# Altium PCB top_INA_v2.PcbDoc (part 3 of 4) (continued)
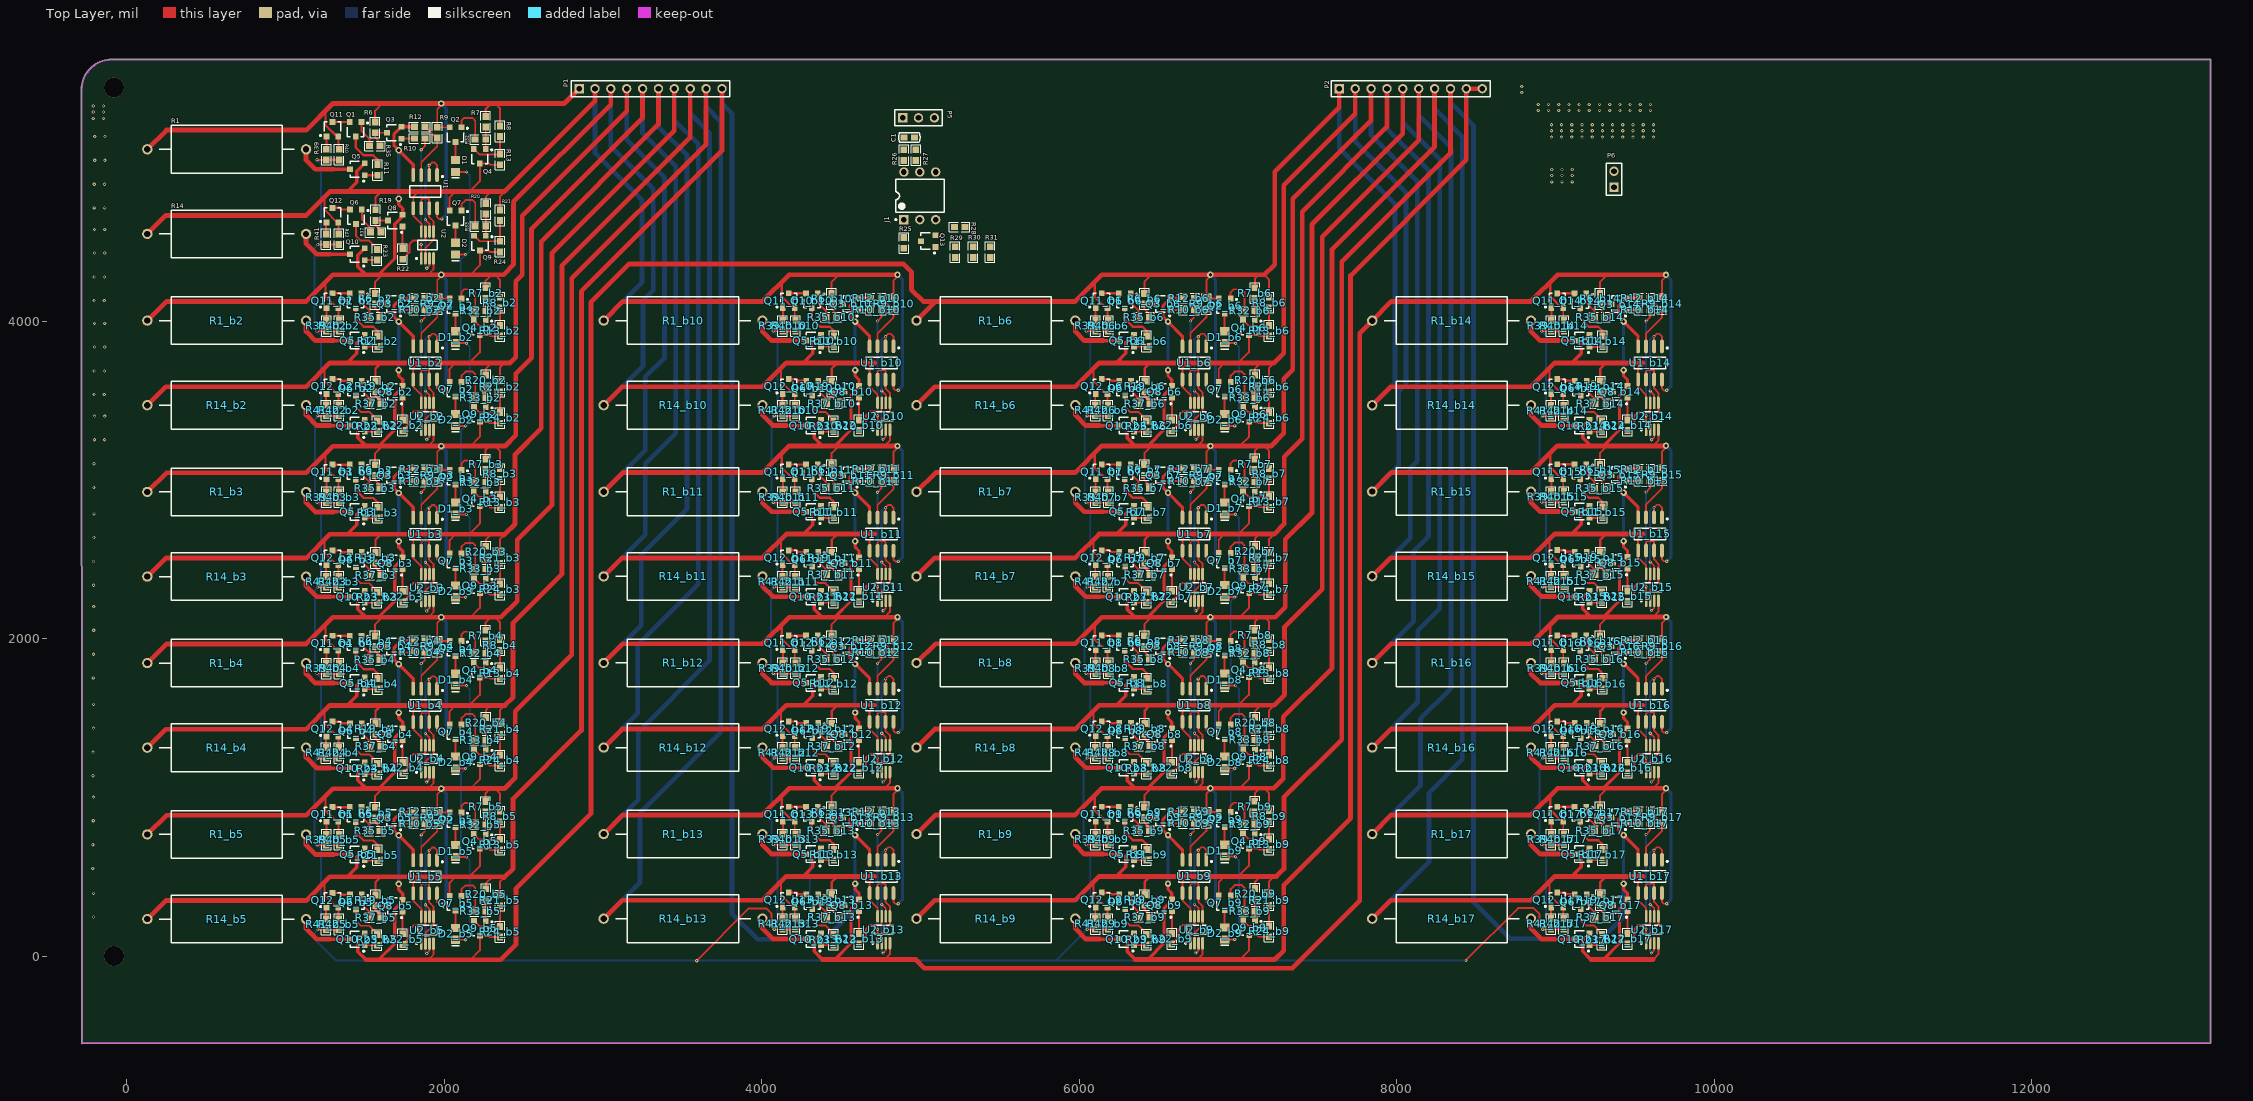
[diagram p0: Top Layer view]
## Nets (pads, with @x,y where several pads share a name; then routed paths per layer and width w, separated by ;. In a path a pad name is that pad's centre, name@x,y a point inside that pad or via, vN(x,y) a via of type N, cw(c..) or ccw(c..) an arc to the next point about the centre after c; other vN are vias at no path point) (continued)
  Top Layer w15: R19_b6.2@6411.87,3622 6411.87,3701.54 6446.87,3736.54 6450.87,3736.54 ; 8967,3163.79 8967,3077.82 Q11_b15.2@9038.82,3006
  Top Layer w20: Q11_b15.2@9038.82,3006 Q11_b15.2@9048.4,3006 ; 9303.87,3215.81 9402.87,3314.81 9402.87,3531.83 9453.13,3582.09 Q8_b14.2@9453.13,3591.68 9453.13,3630.02 9428.73,3654.41 v2(9428.73,3691.28) ; 9367.87,3213.28 9368.8,3214.2 ; U1_b14.4@9519.87,3840.76 9519.87,3905.54 v2(9428.73,3996.68) 9397.73,4027.68 9397.73,4096.82 Q3_b14.2@9445.99,4145.08 R12_b14.1@9526.87,4145.08
  Top Layer w22: 6232.87,3736.54 6292.87,3796.54 6292.87,3863.68 Q5_b6.2@6344.13,3914.94 ; Q10_b14.2@9214.13,3379.68 9170.87,3336.42 9170.87,3264.28 9220.87,3214.28 9221.87,3213.28 ; 9265.87,3214.28 9265.94,3214.2
  Top Layer w30: R14_b6.2@4975,3470.26 5091.28,3586.54 5975,3586.54 6125,3736.54 6232.87,3736.54 6446.87,3736.54 ; 6450.87,3736.54 6680.87,3736.54 6914.87,3736.54 7002.87,3736.54 7226.87,3736.54 7288,3797.67 7288,4855.58 7738,5305.58 P2.2@7738,5464 ; R1_b15.2@7845,2926.26 7966.02,3047.28 8845,3047.28 9011.36,3213.64 ; 9011.99,3214.28 9220.87,3214.28 9265.87,3214.28 9324.35,3214.28 9368.61,3214.28 9614.87,3214.28 9657.87,3214.28 ; 9265.94,3214.2 9324.28,3214.2 9368.54,3214.2 9368.8,3214.2 9614.8,3214.2 9657.8,3214.2 v2@9695.54,3214.2
  Bottom Layer w20: v2(9428.73,3691.28) v2(9428.73,3996.68) ; v2(9695.87,3214.54) 9727.87,3182.54 9727.87,2515.54 v1(9699.87,2487.54)
  Bottom Layer w30: P2.2@7738,5464 7738,5129.47 8058.74,4808.74 8058.74,3603.74 8012,3557 8012,3093.26 R1_b15.2@7845,2926.26
IN_A15: P2.4 Q3_b15.2 Q4_b7.3 Q5_b7.2 Q7_b7.2 Q8_b15.2 Q10_b15.2 Q11_b16.2 Q12_b7.2 R1_b16.2 R6_b16.2 R9_b16.2 R12_b15.1 R13_b7.1 R14_b7.2 R19_b7.2 R20_b7.2 R21_b7.2 R40_b16.1 R42_b7.1 U1_b7.5 U1_b15.4 U1_b16.8 U2_b7.8 U2_b15.4 | length 16330
  Top Layer w12: 6091,2623.04 6091,2543.26 6170.26,2464 Q12_b7.2@6178.4,2464 6178.4,2395.32 R42_b7.1@6181,2392.72 ; 6680.87,2658.54 6649.87,2627.54 U1_b7.5@6649.87,2554.05 6649.87,2507.54 6700.48,2456.92 U2_b7.8@6700.48,2407.18 ; Q7_b7.2@6878.46,2538.8 6878.46,2622.13 6914.87,2658.54 ; 7002.87,2658.54 7068.87,2724.54 Q4_b7.3@7068.87,2835.28 7127.13,2835.28 7134.33,2828.07 R13_b7.1@7195.87,2828.07 ; R20_b7.2@7107,2583.46 7107,2631.54 7134,2658.54 ; R21_b7.2@7195.87,2543 7195.87,2627.54 7226.87,2658.54 ; Q11_b16.2@9048.4,1927 9048.4,1852.32 R40_b16.1@9053,1847.72 ; R6_b16.2@9279.87,2018.46 9279.87,2090.79 9324.54,2135.46 ; 9368.54,2136.46 9368.61,2136.54 ; 9613.87,2136.54 9647.25,2169.92 U2_b15.4@9647.25,2238.89 ; 9656.87,2135.54 9657.8,2136.46 9657.87,2136.54 ; U1_b16.8@9669.87,1476.05 9669.87,1420.54 9681.87,1408.54 v1(9699.87,1408.54) ; R9_b16.2@9670.87,1986 9670.87,2100.54 v2@9695.87,2125.54
  Top Layer w15: R19_b7.2@6411.87,2544 6411.87,2623.54 6446.87,2658.54 6450.87,2658.54 ; 8967,2084.79 8967,1998.82 Q11_b16.2@9038.82,1927
  Top Layer w20: Q11_b16.2@9038.82,1927 Q11_b16.2@9048.4,1927 ; 9303.87,2139.07 9402.87,2238.07 9402.87,2455.09 9453.13,2505.35 Q8_b15.2@9453.13,2514.94 9453.13,2553.28 9428.73,2577.67 v2(9428.73,2614.54) ; 9367.87,2135.54 9368.8,2136.46 ; U1_b15.4@9519.87,2764.02 9519.87,2828.8 v2(9428.73,2919.94) 9397.73,2950.94 9397.73,3020.08 Q3_b15.2@9445.99,3068.34 R12_b15.1@9526.87,3068.34
  Top Layer w22: 6232.87,2658.54 6292.87,2718.54 6292.87,2785.68 Q5_b7.2@6344.13,2836.94 ; Q10_b15.2@9214.13,2302.94 9170.87,2259.68 9170.87,2187.54 9221.87,2136.54 ; 9265.87,2136.54 9265.94,2136.46
  Top Layer w30: R14_b7.2@4975,2392.26 5091.28,2508.54 5975,2508.54 6125,2658.54 6232.87,2658.54 6446.87,2658.54 ; 6450.87,2658.54 6680.87,2658.54 6914.87,2658.54 7002.87,2658.54 7134,2658.54 7226.87,2658.54 7291,2722.67 7291,3145 7404,3258 7404,4688.74 7938,5222.74 P2.4@7938,5464 ; R1_b16.2@7845,1847.26 7966.02,1968.28 8845,1968.28 9013.25,2136.54 9221.87,2136.54 9265.87,2136.54 9368.61,2136.54 9613.87,2136.54 9657.87,2136.54 v2(9696,2136.54) ; 9265.94,2136.46 9368.54,2136.46 9368.8,2136.46 9657.8,2136.46
  Bottom Layer w20: v2(9428.73,2614.54) v2(9428.73,2919.94) ; v2@9695.87,2135.54 9727.87,2103.54 9727.87,1436.54 v1(9699.87,1408.54)
  Bottom Layer w30: R1_b16.2@7845,1847.26 8106,2108.26 ; P2.4@7938,5464 7938,5212.31 8200.16,4950.16 8200.16,2645 8106,2550.84 8106,2109.26
IN_A16: P2.6 Q3_b16.2 Q4_b8.3 Q5_b8.2 Q7_b8.2 Q8_b16.2 Q10_b16.2 Q11_b17.2 Q12_b8.2 R1_b17.2 R6_b17.2 R9_b17.2 R12_b16.1 R13_b8.1 R14_b8.2 R19_b8.2 R20_b8.2 R21_b8.2 R40_b17.1 R42_b8.1 U1_b8.5 U1_b16.4 U1_b17.8 U2_b8.8 U2_b16.4 | length 18606.9
  Top Layer w12: 6091,1545.04 6091,1465.26 6170.26,1386 Q12_b8.2@6178.4,1386 6178.4,1317.32 R42_b8.1@6181,1314.72 ; 6680.87,1580.54 6649.87,1549.54 U1_b8.5@6649.87,1476.05 6649.87,1429.54 6700.48,1378.92 U2_b8.8@6700.48,1329.18 ; Q7_b8.2@6878.46,1460.8 6878.46,1544.13 6914.87,1580.54 ; 7002.87,1580.54 7068.87,1646.54 Q4_b8.3@7068.87,1757.28 7127.13,1757.28 7134.33,1750.07 R13_b8.1@7195.87,1750.07 ; R20_b8.2@7107,1505.46 7107,1545.54 7142,1580.54 ; R21_b8.2@7195.87,1465 7195.87,1549.54 7226.87,1580.54 ; Q11_b17.2@9048.4,849 9048.4,774.32 R40_b17.1@9053,769.72 ; R6_b17.2@9279.87,940.46 9279.87,1012.79 9324.28,1057.2 ; 9360.28,1057.46 9360.35,1057.54 9360.54,1057.72 ; 9368.54,1057.46 9368.61,1057.54 ; 9613.87,1057.54 9647.25,1090.92 U2_b16.4@9647.25,1159.89 ; 9656.87,1056.54 9657.8,1057.46 9657.87,1057.54 ; U1_b17.8@9669.87,398.05 9669.87,342.54 9681.87,330.54 v1(9699.87,330.54) ; R9_b17.2@9670.87,908 9670.87,1022.54 v2@9695.87,1047.54
  Top Layer w15: R19_b8.2@6411.87,1466 6411.87,1545.54 6446.87,1580.54 6450.87,1580.54 ; 8967,1006.79 8967,920.82 Q11_b17.2@9038.82,849
  Top Layer w20: Q11_b17.2@9038.82,849 Q11_b17.2@9048.4,849 ; 9303.87,1060.07 9402.87,1159.07 9402.87,1376.09 9453.13,1426.35 Q8_b16.2@9453.13,1435.94 9453.13,1474.28 9428.73,1498.67 v2(9428.73,1535.54) ; 9367.87,1056.54 9368.8,1057.46 ; U1_b16.4@9519.87,1685.02 9519.87,1749.8 v2(9428.73,1840.94) 9397.73,1871.94 9397.73,1941.08 Q3_b16.2@9445.99,1989.34 R12_b16.1@9526.87,1989.34
  Top Layer w22: 6232.87,1580.54 6292.87,1640.54 6292.87,1707.68 Q5_b8.2@6344.13,1758.94 ; Q10_b16.2@9214.13,1223.94 9170.87,1180.68 9170.87,1108.54 9221.87,1057.54 ; 9265.87,1057.54 9265.94,1057.46
  Top Layer w30: R14_b8.2@4975,1314.26 5091.28,1430.54 5975,1430.54 6125,1580.54 6232.87,1580.54 6446.87,1580.54 ; 6450.87,1580.54 6680.87,1580.54 6914.87,1580.54 7002.87,1580.54 7142,1580.54 7226.87,1580.54 7293,1646.67 7293,2074 7530,2311 7530,4531.89 8138,5139.89 P2.6@8138,5464 ; R1_b17.2@7845,769.26 7966.02,890.28 8845,890.28 9012.25,1057.54 9221.87,1057.54 9265.87,1057.54 9360.35,1057.54 9368.61,1057.54 9613.87,1057.54 9657.87,1057.54 v2(9695.87,1057.54) ; 9265.94,1057.46 9360.28,1057.46 9368.54,1057.46 9368.8,1057.46 9657.8,1057.46
  Bottom Layer w20: v2(9428.73,1535.54) v2(9428.73,1840.94) ; v2(9695.87,1057.54) 9727.87,1025.54 9727.87,358.54 v1(9699.87,330.54)
  Bottom Layer w30: R1_b17.2@7845,769.26 8149,1073.26 8149,1495 8341.58,1687.58 8341.58,5091.58 8138,5295.16 P2.6@8138,5464
IN_B8: P2.8 Q3_b17.2 Q4_b9.3 Q5_b9.2 Q7_b9.2 Q8_b17.2 Q10_b17.2 Q12_b9.2 R12_b17.1 R13_b9.1 R14_b9.2 R19_b9.2 R20_b9.2 R21_b9.2 R42_b9.1 U1_b9.5 U1_b17.4 U2_b9.8 U2_b17.4 | length 17905.4
  Top Layer w12: 6091,467.04 6091,387.26 6170.26,308 Q12_b9.2@6178.4,308 6178.4,239.32 R42_b9.1@6181,236.72 ; 6680.87,502.54 6649.87,471.54 U1_b9.5@6649.87,398.05 6649.87,351.54 6700.48,300.92 U2_b9.8@6700.48,251.18 ; Q7_b9.2@6878.46,382.8 6878.46,466.13 6914.87,502.54 ; 7002.87,502.54 7068.87,568.54 Q4_b9.3@7068.87,679.28 7127.13,679.28 7134.33,672.07 R13_b9.1@7195.87,672.07 ; R20_b9.2@7107,427.46 7107,469.54 7140,502.54 ; R21_b9.2@7195.87,387 7195.87,471.54 7226.87,502.54 ; 9612.87,-21.46 9613.8,-20.54 9647.25,12.92 U2_b17.4@9647.25,81.89
  Top Layer w15: R19_b9.2@6411.87,388 6411.87,467.54 6446.87,502.54 6450.87,502.54
  Top Layer w20: 9303.87,-17.93 9402.87,81.07 9402.87,298.09 9453.13,348.35 Q8_b17.2@9453.13,357.94 9453.13,396.28 9428.73,420.67 v2(9428.73,457.54) ; 9323.87,-21.46 9324.8,-20.54 ; U1_b17.4@9519.87,607.02 9519.87,671.8 v2(9428.73,762.94) 9397.73,793.94 9397.73,863.08 Q3_b17.2@9445.99,911.34 R12_b17.1@9526.87,911.34
  Top Layer w22: 6232.87,502.54 6292.87,562.54 6292.87,629.68 Q5_b9.2@6344.13,680.94 ; Q10_b17.2@9214.13,145.94 9170.87,102.68 9170.87,30.54 9221.94,-20.54
  Top Layer w30: R14_b9.2@4975,236.26 5091.28,352.54 5975,352.54 6125,502.54 6232.87,502.54 6446.87,502.54 ; 6450.87,502.54 6680.87,502.54 6914.87,502.54 7002.87,502.54 7140,502.54 7226.87,502.54 7242,502.54 7289,549.54 7289,1000 7654,1365 7654,4373.05 8338,5057.05 P2.8@8338,5464 ; 9221.94,-20.54 9324.8,-20.54 9613.8,-20.54
  Bottom Layer w20: v2(9428.73,457.54) v2(9428.73,762.94)
  Bottom Layer w30: P2.8@8338,5464 8338,5378 8483,5233 8483,342 8715,110 9291,110 9428.73,247.73 v2(9428.73,457.54)
IN_C8: P2.9 P2.10 Q3_b9.2 Q8_b9.2 Q9_b9.3 Q10_b9.2 Q13.2 R12_b9.1 R24_b9.1 R28.1 U1_b9.4 U2_b9.4 | length 8904.5
  Top Layer w12: 6742.87,-21.46 6743.8,-20.54 6777.25,12.92 U2_b9.4@6777.25,81.89 ; 7010.25,-20.54 7069.87,39.08 Q9_b9.3@7069.87,132.28 7122.61,132.28 7131.81,123.07 R24_b9.1@7195.87,123.07
  Top Layer w20: 6433.87,-17.93 6532.87,81.07 6532.87,298.09 6583.13,348.35 Q8_b9.2@6583.13,357.94 6583.13,396.28 6558.73,420.67 v2(6558.73,457.54) ; 6453.87,-21.46 6454.8,-20.54 ; U1_b9.4@6649.87,607.02 6649.87,671.8 v2(6558.73,762.94) 6527.73,793.94 6527.73,863.08 Q3_b9.2@6575.99,911.34 R12_b9.1@6656.87,911.34
  Top Layer w22: Q10_b9.2@6344.13,145.94 6300.87,102.68 6300.87,30.54 6351.94,-20.54
  Top Layer w30: 6351.94,-20.54 6454.8,-20.54 6743.8,-20.54 7010.25,-20.54 7232,-20.54 7288,35.46 7288,448 7709,869 7709,4286.63 8438,5015.63 P2.9@8438,5464 P2.10@8538,5464
  Bottom Layer w20: v2(6558.73,457.54) v2(6558.73,762.94)
NetD1_1: D1.1 Q2.3 | length 113.3
  Top Layer w12: D1.1@2071.87,5014.94 Q2.3@2071.87,5128.28
NetD1_b2_1: D1_b2.1 Q2_b2.3 | length 113.3
  Top Layer w12: D1_b2.1@2071.87,3935.94 Q2_b2.3@2071.87,4049.28
NetD1_b3_1: D1_b3.1 Q2_b3.3 | length 113.3
  Top Layer w12: D1_b3.1@2071.87,2856.94 Q2_b3.3@2071.87,2970.28
NetD1_b4_1: D1_b4.1 Q2_b4.3 | length 113.3
  Top Layer w12: D1_b4.1@2071.87,1778.94 Q2_b4.3@2071.87,1892.28
NetD1_b5_1: D1_b5.1 Q2_b5.3 | length 113.3
  Top Layer w12: D1_b5.1@2071.87,699.94 Q2_b5.3@2071.87,813.28
NetD1_b6_1: D1_b6.1 Q2_b6.3 | length 113.3
  Top Layer w12: D1_b6.1@6915.87,3935.94 Q2_b6.3@6915.87,4049.28
NetD1_b7_1: D1_b7.1 Q2_b7.3 | length 113.3
  Top Layer w12: D1_b7.1@6915.87,2857.94 Q2_b7.3@6915.87,2971.28
NetD1_b8_1: D1_b8.1 Q2_b8.3 | length 113.3
  Top Layer w12: D1_b8.1@6915.87,1779.94 Q2_b8.3@6915.87,1893.28
NetD1_b9_1: D1_b9.1 Q2_b9.3 | length 113.3
  Top Layer w12: D1_b9.1@6915.87,701.94 Q2_b9.3@6915.87,815.28
NetD1_b10_1: 
NetD1_b11_1: 
NetD1_b12_1: 
NetD1_b13_1: 
NetD1_b14_1: 
NetD1_b15_1: 
NetD1_b16_1: 
NetD1_b17_1: 
NetD2_1: D2.1 Q7.3 | length 109.3
  Top Layer w12: D2.1@2071.87,4493.94 Q7.3@2071.87,4603.28
NetD2_b2_1: D2_b2.1 Q7_b2.3 | length 109.3
  Top Layer w12: D2_b2.1@2071.87,3414.94 Q7_b2.3@2071.87,3524.28
NetD2_b3_1: D2_b3.1 Q7_b3.3 | length 109.3
  Top Layer w12: D2_b3.1@2071.87,2335.94 Q7_b3.3@2071.87,2445.28
NetD2_b4_1: D2_b4.1 Q7_b4.3 | length 109.3
  Top Layer w12: D2_b4.1@2071.87,1257.94 Q7_b4.3@2071.87,1367.28
NetD2_b5_1: D2_b5.1 Q7_b5.3 | length 109.3
  Top Layer w12: D2_b5.1@2071.87,178.94 Q7_b5.3@2071.87,288.28
NetD2_b6_1: D2_b6.1 Q7_b6.3 | length 109.3
  Top Layer w12: D2_b6.1@6915.87,3414.94 Q7_b6.3@6915.87,3524.28
NetD2_b7_1: D2_b7.1 Q7_b7.3 | length 109.3
  Top Layer w12: D2_b7.1@6915.87,2336.94 Q7_b7.3@6915.87,2446.28
NetD2_b8_1: D2_b8.1 Q7_b8.3 | length 109.3
  Top Layer w12: D2_b8.1@6915.87,1258.94 Q7_b8.3@6915.87,1368.28
NetD2_b9_1: D2_b9.1 Q7_b9.3 | length 109.3
  Top Layer w12: D2_b9.1@6915.87,180.94 Q7_b9.3@6915.87,290.28
NetD2_b10_1: 
NetD2_b11_1: 
NetD2_b12_1: 
NetD2_b13_1: 
NetD2_b14_1: 
NetD2_b15_1: 
NetD2_b16_1: 
NetD2_b17_1: 
NetJ1_1: J1.1 R25.2
NetJ1_2: J1.2 Q13.3
NetJ1_5: J1.5 R27.1
NetJ1_6: J1.6 R26.1
NetQ1_1: Q1.1 R35.2 | length 171.2
  Top Layer w12: Q1.1@1479.8,5254.26 1479.8,5195.06 1530.4,5144.46 R35.2@1530.4,5104
NetQ1_2: Q1.2 Q11.3 | length 107.7
  Top Layer w15: Q11.3@1297.26,5254.26 Q1.2@1405,5254.26
NetQ1_3: Q1.3 R11.2 | length 268.8
  Top Layer w15: Q1.3@1442.4,5161.74 1442.4,5095.46 1493.87,5044 1554.26,5044 1581,5017.26 R11.2@1581,4985.72
NetQ1_b2_1: Q1_b2.1 R35_b2.2 | length 171.2
  Top Layer w12: Q1_b2.1@1479.8,4175.26 1479.8,4116.06 1530.4,4065.46 R35_b2.2@1530.4,4025
NetQ1_b2_2: Q1_b2.2 Q11_b2.3 | length 107.7
  Top Layer w15: Q11_b2.3@1297.26,4175.26 Q1_b2.2@1405,4175.26
NetQ1_b2_3: Q1_b2.3 R11_b2.2 | length 268.8
  Top Layer w15: Q1_b2.3@1442.4,4082.74 1442.4,4016.46 1493.87,3965 1554.26,3965 1581,3938.26 R11_b2.2@1581,3906.72
NetQ1_b3_1: Q1_b3.1 R35_b3.2 | length 171.2
  Top Layer w12: Q1_b3.1@1479.8,3096.26 1479.8,3037.06 1530.4,2986.46 R35_b3.2@1530.4,2946
NetQ1_b3_2: Q1_b3.2 Q11_b3.3 | length 107.7
  Top Layer w15: Q11_b3.3@1297.26,3096.26 Q1_b3.2@1405,3096.26
NetQ1_b3_3: Q1_b3.3 R11_b3.2 | length 268.8
  Top Layer w15: Q1_b3.3@1442.4,3003.74 1442.4,2937.46 1493.87,2886 1554.26,2886 1581,2859.26 R11_b3.2@1581,2827.72
NetQ1_b4_1: Q1_b4.1 R35_b4.2 | length 171.2
  Top Layer w12: Q1_b4.1@1479.8,2018.26 1479.8,1959.06 1530.4,1908.46 R35_b4.2@1530.4,1868
NetQ1_b4_2: Q1_b4.2 Q11_b4.3 | length 107.7
  Top Layer w15: Q11_b4.3@1297.26,2018.26 Q1_b4.2@1405,2018.26
NetQ1_b4_3: Q1_b4.3 R11_b4.2 | length 268.8
  Top Layer w15: Q1_b4.3@1442.4,1925.74 1442.4,1859.46 1493.87,1808 1554.26,1808 1581,1781.26 R11_b4.2@1581,1749.72
NetQ1_b5_1: Q1_b5.1 R35_b5.2 | length 171.2
  Top Layer w12: Q1_b5.1@1479.8,939.26 1479.8,880.06 1530.4,829.46 R35_b5.2@1530.4,789
NetQ1_b5_2: Q1_b5.2 Q11_b5.3 | length 107.7
  Top Layer w15: Q11_b5.3@1297.26,939.26 Q1_b5.2@1405,939.26
NetQ1_b5_3: Q1_b5.3 R11_b5.2 | length 268.8
  Top Layer w15: Q1_b5.3@1442.4,846.74 1442.4,780.46 1493.87,729 1554.26,729 1581,702.26 R11_b5.2@1581,670.72
NetQ1_b6_1: Q1_b6.1 R35_b6.2 | length 171.2
  Top Layer w12: Q1_b6.1@6323.8,4175.26 6323.8,4116.06 6374.4,4065.46 R35_b6.2@6374.4,4025
NetQ1_b6_2: Q1_b6.2 Q11_b6.3 | length 107.7
  Top Layer w15: Q11_b6.3@6141.26,4175.26 Q1_b6.2@6249,4175.26
NetQ1_b6_3: Q1_b6.3 R11_b6.2 | length 268.8
  Top Layer w15: Q1_b6.3@6286.4,4082.74 6286.4,4016.46 6337.87,3965 6398.26,3965 6425,3938.26 R11_b6.2@6425,3906.72
NetQ1_b7_1: Q1_b7.1 R35_b7.2 | length 171.2
  Top Layer w12: Q1_b7.1@6323.8,3097.26 6323.8,3038.06 6374.4,2987.46 R35_b7.2@6374.4,2947
NetQ1_b7_2: Q1_b7.2 Q11_b7.3 | length 107.7
  Top Layer w15: Q11_b7.3@6141.26,3097.26 Q1_b7.2@6249,3097.26
NetQ1_b7_3: Q1_b7.3 R11_b7.2 | length 268.8
  Top Layer w15: Q1_b7.3@6286.4,3004.74 6286.4,2938.46 6337.87,2887 6398.26,2887 6425,2860.26 R11_b7.2@6425,2828.72
NetQ1_b8_1: Q1_b8.1 R35_b8.2 | length 171.2
  Top Layer w12: Q1_b8.1@6323.8,2019.26 6323.8,1960.06 6374.4,1909.46 R35_b8.2@6374.4,1869
NetQ1_b8_2: Q1_b8.2 Q11_b8.3 | length 107.7
  Top Layer w15: Q11_b8.3@6141.26,2019.26 Q1_b8.2@6249,2019.26
NetQ1_b8_3: Q1_b8.3 R11_b8.2 | length 268.8
  Top Layer w15: Q1_b8.3@6286.4,1926.74 6286.4,1860.46 6337.87,1809 6398.26,1809 6425,1782.26 R11_b8.2@6425,1750.72
NetQ1_b9_1: Q1_b9.1 R35_b9.2 | length 171.2
  Top Layer w12: Q1_b9.1@6323.8,941.26 6323.8,882.06 6374.4,831.46 R35_b9.2@6374.4,791
NetQ1_b9_2: Q1_b9.2 Q11_b9.3 | length 107.7
  Top Layer w15: Q11_b9.3@6141.26,941.26 Q1_b9.2@6249,941.26
NetQ1_b9_3: Q1_b9.3 R11_b9.2 | length 268.8
  Top Layer w15: Q1_b9.3@6286.4,848.74 6286.4,782.46 6337.87,731 6398.26,731 6425,704.26 R11_b9.2@6425,672.72
NetQ1_b10_1: Q1_b10.1 R35_b10.2 | length 171.2
  Top Layer w12: Q1_b10.1@4353.8,4175.26 4353.8,4116.06 4404.4,4065.46 R35_b10.2@4404.4,4025
NetQ1_b10_2: Q1_b10.2 Q11_b10.3 | length 107.7
  Top Layer w15: Q11_b10.3@4171.26,4175.26 Q1_b10.2@4279,4175.26
NetQ1_b10_3: Q1_b10.3 R11_b10.2 | length 268.8
  Top Layer w15: Q1_b10.3@4316.4,4082.74 4316.4,4016.46 4367.87,3965 4428.26,3965 4455,3938.26 R11_b10.2@4455,3906.72
NetQ1_b11_1: Q1_b11.1 R35_b11.2 | length 171.2
  Top Layer w12: Q1_b11.1@4353.8,3097.26 4353.8,3038.06 4404.4,2987.46 R35_b11.2@4404.4,2947
NetQ1_b11_2: Q1_b11.2 Q11_b11.3 | length 107.7
  Top Layer w15: Q11_b11.3@4171.26,3097.26 Q1_b11.2@4279,3097.26
NetQ1_b11_3: Q1_b11.3 R11_b11.2 | length 268.8
  Top Layer w15: Q1_b11.3@4316.4,3004.74 4316.4,2938.46 4367.87,2887 4428.26,2887 4455,2860.26 R11_b11.2@4455,2828.72
NetQ1_b12_1: Q1_b12.1 R35_b12.2 | length 171.2
  Top Layer w12: Q1_b12.1@4353.8,2019.26 4353.8,1960.06 4404.4,1909.46 R35_b12.2@4404.4,1869
NetQ1_b12_2: Q1_b12.2 Q11_b12.3 | length 107.7
  Top Layer w15: Q11_b12.3@4171.26,2019.26 Q1_b12.2@4279,2019.26
NetQ1_b12_3: Q1_b12.3 R11_b12.2 | length 268.8
  Top Layer w15: Q1_b12.3@4316.4,1926.74 4316.4,1860.46 4367.87,1809 4428.26,1809 4455,1782.26 R11_b12.2@4455,1750.72
NetQ1_b13_1: Q1_b13.1 R35_b13.2 | length 171.2
  Top Layer w12: Q1_b13.1@4353.8,941.26 4353.8,882.06 4404.4,831.46 R35_b13.2@4404.4,791
NetQ1_b13_2: Q1_b13.2 Q11_b13.3 | length 107.7
  Top Layer w15: Q11_b13.3@4171.26,941.26 Q1_b13.2@4279,941.26
NetQ1_b13_3: Q1_b13.3 R11_b13.2 | length 268.8
  Top Layer w15: Q1_b13.3@4316.4,848.74 4316.4,782.46 4367.87,731 4428.26,731 4455,704.26 R11_b13.2@4455,672.72
NetQ1_b14_1: Q1_b14.1 R35_b14.2 | length 171.2
  Top Layer w12: Q1_b14.1@9193.8,4175 9193.8,4115.8 9244.4,4065.2 R35_b14.2@9244.4,4024.74
NetQ1_b14_2: Q1_b14.2 Q11_b14.3 | length 107.7
  Top Layer w15: Q11_b14.3@9011.26,4175 Q1_b14.2@9119,4175
NetQ1_b14_3: Q1_b14.3 R11_b14.2 | length 268.8
  Top Layer w15: Q1_b14.3@9156.4,4082.48 9156.4,4016.2 9207.87,3964.74 9268.26,3964.74 9295,3938 R11_b14.2@9295,3906.46
NetQ1_b15_1: Q1_b15.1 R35_b15.2 | length 171.2
  Top Layer w12: Q1_b15.1@9193.8,3098.26 9193.8,3039.06 9244.4,2988.46 R35_b15.2@9244.4,2948
NetQ1_b15_2: Q1_b15.2 Q11_b15.3 | length 107.7
  Top Layer w15: Q11_b15.3@9011.26,3098.26 Q1_b15.2@9119,3098.26
NetQ1_b15_3: Q1_b15.3 R11_b15.2 | length 268.8
  Top Layer w15: Q1_b15.3@9156.4,3005.74 9156.4,2939.46 9207.87,2888 9268.26,2888 9295,2861.26 R11_b15.2@9295,2829.72
NetQ1_b16_1: Q1_b16.1 R35_b16.2 | length 171.2
  Top Layer w12: Q1_b16.1@9193.8,2019.26 9193.8,1960.06 9244.4,1909.46 R35_b16.2@9244.4,1869
NetQ1_b16_2: Q1_b16.2 Q11_b16.3 | length 107.7
  Top Layer w15: Q11_b16.3@9011.26,2019.26 Q1_b16.2@9119,2019.26
NetQ1_b16_3: Q1_b16.3 R11_b16.2 | length 268.8
  Top Layer w15: Q1_b16.3@9156.4,1926.74 9156.4,1860.46 9207.87,1809 9268.26,1809 9295,1782.26 R11_b16.2@9295,1750.72
NetQ1_b17_1: Q1_b17.1 R35_b17.2 | length 171.2
  Top Layer w12: Q1_b17.1@9193.8,941.26 9193.8,882.06 9244.4,831.46 R35_b17.2@9244.4,791
NetQ1_b17_2: Q1_b17.2 Q11_b17.3 | length 107.7
  Top Layer w15: Q11_b17.3@9011.26,941.26 Q1_b17.2@9119,941.26
NetQ1_b17_3: Q1_b17.3 R11_b17.2 | length 268.8
  Top Layer w15: Q1_b17.3@9156.4,848.74 9156.4,782.46 9207.87,731 9268.26,731 9295,704.26 R11_b17.2@9295,672.72
NetQ2_1: Q2.1 R32.2 | length 259.4
  Top Layer w12: Q2.1@2109.27,5220.8 2109.27,5260.94 2127.87,5279.54 2178.87,5279.54 2196.4,5262 R32.2@2196.4,5144.87
NetQ2_b2_1: Q2_b2.1 R32_b2.2 | length 259.4
  Top Layer w12: Q2_b2.1@2109.27,4141.8 2109.27,4181.94 2127.87,4200.54 2178.87,4200.54 2196.4,4183 R32_b2.2@2196.4,4065.87
NetQ2_b3_1: Q2_b3.1 R32_b3.2 | length 259.4
  Top Layer w12: Q2_b3.1@2109.27,3062.8 2109.27,3102.94 2127.87,3121.54 2178.87,3121.54 2196.4,3104 R32_b3.2@2196.4,2986.87
NetQ2_b4_1: Q2_b4.1 R32_b4.2 | length 259.4
  Top Layer w12: Q2_b4.1@2109.27,1984.8 2109.27,2024.94 2127.87,2043.54 2178.87,2043.54 2196.4,2026 R32_b4.2@2196.4,1908.87
NetQ2_b5_1: Q2_b5.1 R32_b5.2 | length 259.4
  Top Layer w12: Q2_b5.1@2109.27,905.8 2109.27,945.94 2127.87,964.54 2178.87,964.54 2196.4,947 R32_b5.2@2196.4,829.87
NetQ2_b6_1: Q2_b6.1 R32_b6.2 | length 259.4
  Top Layer w12: Q2_b6.1@6953.27,4141.8 6953.27,4181.94 6971.87,4200.54 7022.87,4200.54 7040.4,4183 R32_b6.2@7040.4,4065.87
NetQ2_b7_1: Q2_b7.1 R32_b7.2 | length 259.4
  Top Layer w12: Q2_b7.1@6953.27,3063.8 6953.27,3103.94 6971.87,3122.54 7022.87,3122.54 7040.4,3105 R32_b7.2@7040.4,2987.87
NetQ2_b8_1: Q2_b8.1 R32_b8.2 | length 259.4
  Top Layer w12: Q2_b8.1@6953.27,1985.8 6953.27,2025.94 6971.87,2044.54 7022.87,2044.54 7040.4,2027 R32_b8.2@7040.4,1909.87
NetQ2_b9_1: Q2_b9.1 R32_b9.2 | length 259.4
  Top Layer w12: Q2_b9.1@6953.27,907.8 6953.27,947.94 6971.87,966.54 7022.87,966.54 7040.4,949 R32_b9.2@7040.4,831.87
NetQ2_b10_1: 
NetQ2_b11_1: 
NetQ2_b12_1: 
NetQ2_b13_1: 
NetQ2_b14_1: 
NetQ2_b15_1: 
NetQ2_b16_1: 
NetQ2_b17_1: 
NetQ3_1: Q3.1 R10.1 | length 80.9
  Top Layer w12: Q3.1@1731.99,5149.54 R10.1@1812.87,5149.54
NetQ3_3: Q3.3 R6.1 R35.1 | length 169
  Top Layer w10: R35.1@1597.33,5104 1597.33,5125.54 1566.27,5156.6 1566.27,5186.94 Q3.3@1639.47,5186.94
NetQ3_b2_1: Q3_b2.1 R10_b2.1 | length 80.9
  Top Layer w12: Q3_b2.1@1731.99,4070.54 R10_b2.1@1812.87,4070.54
NetQ3_b2_3: Q3_b2.3 R6_b2.1 R35_b2.1 | length 169
  Top Layer w10: R35_b2.1@1597.33,4025 1597.33,4046.54 1566.27,4077.6 1566.27,4107.94 Q3_b2.3@1639.47,4107.94
NetQ3_b3_1: Q3_b3.1 R10_b3.1 | length 80.9
  Top Layer w12: Q3_b3.1@1731.99,2991.54 R10_b3.1@1812.87,2991.54
NetQ3_b3_3: Q3_b3.3 R6_b3.1 R35_b3.1 | length 169
  Top Layer w10: R35_b3.1@1597.33,2946 1597.33,2967.54 1566.27,2998.6 1566.27,3028.94 Q3_b3.3@1639.47,3028.94
NetQ3_b4_1: Q3_b4.1 R10_b4.1 | length 80.9
  Top Layer w12: Q3_b4.1@1731.99,1913.54 R10_b4.1@1812.87,1913.54
NetQ3_b4_3: Q3_b4.3 R6_b4.1 R35_b4.1 | length 169
  Top Layer w10: R35_b4.1@1597.33,1868 1597.33,1889.54 1566.27,1920.6 1566.27,1950.94 Q3_b4.3@1639.47,1950.94
NetQ3_b5_1: Q3_b5.1 R10_b5.1 | length 80.9
  Top Layer w12: Q3_b5.1@1731.99,834.54 R10_b5.1@1812.87,834.54
NetQ3_b5_3: Q3_b5.3 R6_b5.1 R35_b5.1 | length 169
  Top Layer w10: R35_b5.1@1597.33,789 1597.33,810.54 1566.27,841.6 1566.27,871.94 Q3_b5.3@1639.47,871.94
NetQ3_b6_1: Q3_b6.1 R10_b6.1 | length 80.9
  Top Layer w12: Q3_b6.1@6575.99,4070.54 R10_b6.1@6656.87,4070.54
NetQ3_b6_3: Q3_b6.3 R6_b6.1 R35_b6.1 | length 169
  Top Layer w10: R35_b6.1@6441.33,4025 6441.33,4046.54 6410.27,4077.6 6410.27,4107.94 Q3_b6.3@6483.47,4107.94
NetQ3_b7_1: Q3_b7.1 R10_b7.1 | length 80.9
  Top Layer w12: Q3_b7.1@6575.99,2992.54 R10_b7.1@6656.87,2992.54
NetQ3_b7_3: Q3_b7.3 R6_b7.1 R35_b7.1 | length 169
  Top Layer w10: R35_b7.1@6441.33,2947 6441.33,2968.54 6410.27,2999.6 6410.27,3029.94 Q3_b7.3@6483.47,3029.94
NetQ3_b8_1: Q3_b8.1 R10_b8.1 | length 80.9
  Top Layer w12: Q3_b8.1@6575.99,1914.54 R10_b8.1@6656.87,1914.54
NetQ3_b8_3: Q3_b8.3 R6_b8.1 R35_b8.1 | length 169
  Top Layer w10: R35_b8.1@6441.33,1869 6441.33,1890.54 6410.27,1921.6 6410.27,1951.94 Q3_b8.3@6483.47,1951.94
NetQ3_b9_1: Q3_b9.1 R10_b9.1 | length 80.9
  Top Layer w12: Q3_b9.1@6575.99,836.54 R10_b9.1@6656.87,836.54
NetQ3_b9_3: Q3_b9.3 R6_b9.1 R35_b9.1 | length 169
  Top Layer w10: R35_b9.1@6441.33,791 6441.33,812.54 6410.27,843.6 6410.27,873.94 Q3_b9.3@6483.47,873.94
NetQ3_b10_1: Q3_b10.1 R10_b10.1 | length 80.9
  Top Layer w12: Q3_b10.1@4605.99,4070.54 R10_b10.1@4686.87,4070.54
NetQ3_b10_3: Q3_b10.3 R6_b10.1 R35_b10.1 | length 169
  Top Layer w10: R35_b10.1@4471.33,4025 4471.33,4046.54 4440.27,4077.6 4440.27,4107.94 Q3_b10.3@4513.47,4107.94
NetQ3_b11_1: Q3_b11.1 R10_b11.1 | length 80.9
  Top Layer w12: Q3_b11.1@4605.99,2992.54 R10_b11.1@4686.87,2992.54
NetQ3_b11_3: Q3_b11.3 R6_b11.1 R35_b11.1 | length 169
  Top Layer w10: R35_b11.1@4471.33,2947 4471.33,2968.54 4440.27,2999.6 4440.27,3029.94 Q3_b11.3@4513.47,3029.94
NetQ3_b12_1: Q3_b12.1 R10_b12.1 | length 80.9
  Top Layer w12: Q3_b12.1@4605.99,1914.54 R10_b12.1@4686.87,1914.54
NetQ3_b12_3: Q3_b12.3 R6_b12.1 R35_b12.1 | length 169
  Top Layer w10: R35_b12.1@4471.33,1869 4471.33,1890.54 4440.27,1921.6 4440.27,1951.94 Q3_b12.3@4513.47,1951.94
NetQ3_b13_1: Q3_b13.1 R10_b13.1 | length 80.9
  Top Layer w12: Q3_b13.1@4605.99,836.54 R10_b13.1@4686.87,836.54
NetQ3_b13_3: Q3_b13.3 R6_b13.1 R35_b13.1 | length 169
  Top Layer w10: R35_b13.1@4471.33,791 4471.33,812.54 4440.27,843.6 4440.27,873.94 Q3_b13.3@4513.47,873.94
NetQ3_b14_1: Q3_b14.1 R10_b14.1 | length 80.9
  Top Layer w12: Q3_b14.1@9445.99,4070.28 R10_b14.1@9526.87,4070.28
NetQ3_b14_3: Q3_b14.3 R6_b14.1 R35_b14.1 | length 169
  Top Layer w10: R35_b14.1@9311.33,4024.74 9311.33,4046.28 9280.27,4077.34 9280.27,4107.68 Q3_b14.3@9353.47,4107.68
NetQ3_b15_1: Q3_b15.1 R10_b15.1 | length 80.9
  Top Layer w12: Q3_b15.1@9445.99,2993.54 R10_b15.1@9526.87,2993.54
NetQ3_b15_3: Q3_b15.3 R6_b15.1 R35_b15.1 | length 169
  Top Layer w10: R35_b15.1@9311.33,2948 9311.33,2969.54 9280.27,3000.6 9280.27,3030.94 Q3_b15.3@9353.47,3030.94
NetQ3_b16_1: Q3_b16.1 R10_b16.1 | length 80.9
  Top Layer w12: Q3_b16.1@9445.99,1914.54 R10_b16.1@9526.87,1914.54
NetQ3_b16_3: Q3_b16.3 R6_b16.1 R35_b16.1 | length 169
  Top Layer w10: R35_b16.1@9311.33,1869 9311.33,1890.54 9280.27,1921.6 9280.27,1951.94 Q3_b16.3@9353.47,1951.94
NetQ3_b17_1: Q3_b17.1 R10_b17.1 | length 80.9
  Top Layer w12: Q3_b17.1@9445.99,836.54 R10_b17.1@9526.87,836.54
NetQ3_b17_3: Q3_b17.3 R6_b17.1 R35_b17.1 | length 169
  Top Layer w10: R35_b17.1@9311.33,791 9311.33,812.54 9280.27,843.6 9280.27,873.94 Q3_b17.3@9353.47,873.94
NetQ4_1: Q4.1 R7.1 R32.1 | length 137.5
  Top Layer w12: Q4.1@2262.27,5084.8 R7.1@2262.27,5222.27
NetQ4_2: Q4.2 R8.1 R13.2 | length 290.8
  Top Layer w12: Q4.2@2187.46,5084.8 2222.17,5050.09 2351.87,5050.09 R13.2@2351.87,5052 R8.1@2351.87,5162.07
NetQ4_b2_1: Q4_b2.1 R7_b2.1 R32_b2.1 | length 137.5
  Top Layer w12: Q4_b2.1@2262.27,4005.8 R7_b2.1@2262.27,4143.27
NetQ4_b2_2: Q4_b2.2 R8_b2.1 R13_b2.2 | length 290.8
  Top Layer w12: Q4_b2.2@2187.46,4005.8 2222.17,3971.09 2351.87,3971.09 R13_b2.2@2351.87,3973 R8_b2.1@2351.87,4083.07
NetQ4_b3_1: Q4_b3.1 R7_b3.1 R32_b3.1 | length 137.5
  Top Layer w12: Q4_b3.1@2262.27,2926.8 R7_b3.1@2262.27,3064.27
NetQ4_b3_2: Q4_b3.2 R8_b3.1 R13_b3.2 | length 290.8
  Top Layer w12: Q4_b3.2@2187.46,2926.8 2222.17,2892.09 2351.87,2892.09 R13_b3.2@2351.87,2894 R8_b3.1@2351.87,3004.07
NetQ4_b4_1: Q4_b4.1 R7_b4.1 R32_b4.1 | length 137.5
  Top Layer w12: Q4_b4.1@2262.27,1848.8 R7_b4.1@2262.27,1986.27
NetQ4_b4_2: Q4_b4.2 R8_b4.1 R13_b4.2 | length 290.8
  Top Layer w12: Q4_b4.2@2187.46,1848.8 2222.17,1814.09 2351.87,1814.09 R13_b4.2@2351.87,1816 R8_b4.1@2351.87,1926.07
NetQ4_b5_1: Q4_b5.1 R7_b5.1 R32_b5.1 | length 137.5
  Top Layer w12: Q4_b5.1@2262.27,769.8 R7_b5.1@2262.27,907.27
NetQ4_b5_2: Q4_b5.2 R8_b5.1 R13_b5.2 | length 290.8
  Top Layer w12: Q4_b5.2@2187.46,769.8 2222.17,735.09 2351.87,735.09 R13_b5.2@2351.87,737 R8_b5.1@2351.87,847.07
NetQ4_b6_1: Q4_b6.1 R7_b6.1 R32_b6.1 | length 137.5
  Top Layer w12: Q4_b6.1@7106.27,4005.8 R7_b6.1@7106.27,4143.27
NetQ4_b6_2: Q4_b6.2 R8_b6.1 R13_b6.2 | length 290.8
  Top Layer w12: Q4_b6.2@7031.46,4005.8 7066.17,3971.09 7195.87,3971.09 R13_b6.2@7195.87,3973 R8_b6.1@7195.87,4083.07